# KiCad board cell-sim.kicad_pcb (continued)
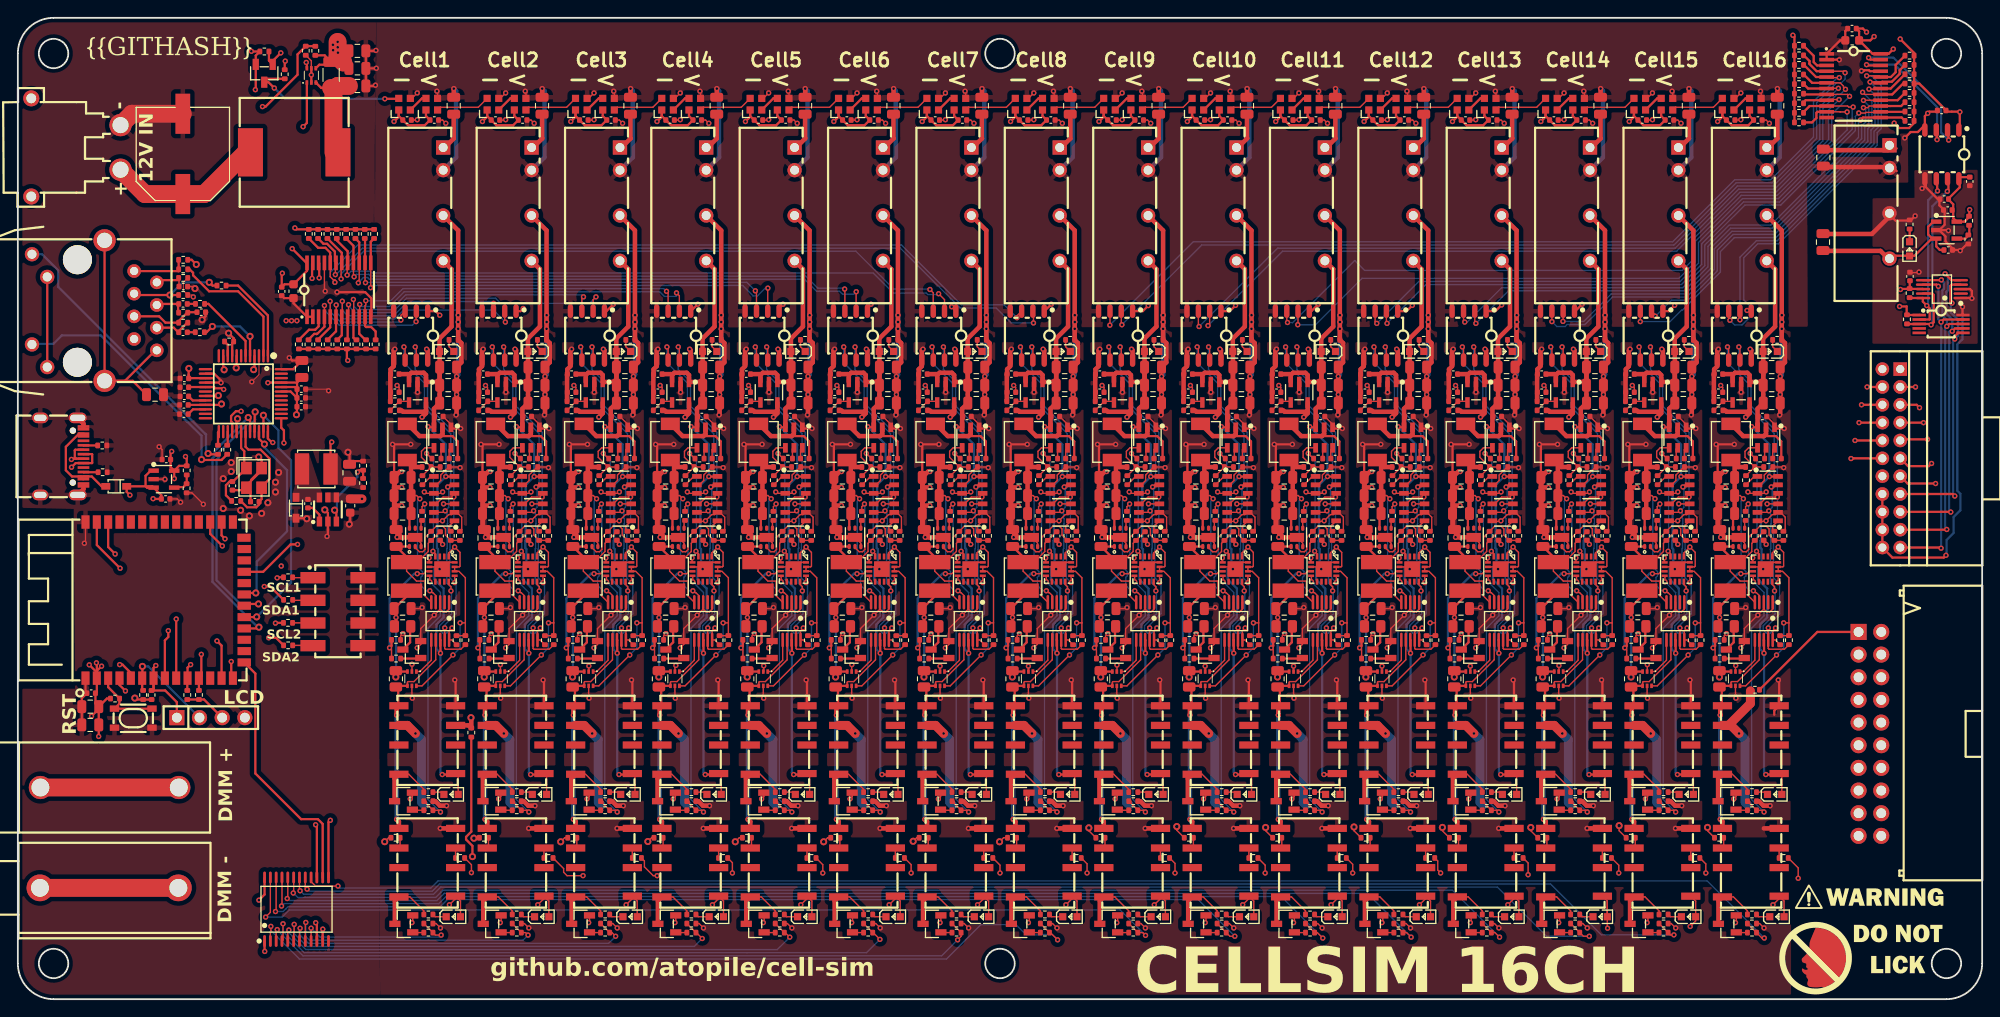
[diagram p0: board, top side]
## Routing (per net, layer and track width the routed paths; a pad name or vN(x,y) marks a point on that pad's centre or on a via; arc(x,y) is an arc through that point) (continued)
CELL9_CURRENT_SENSE_OUTPUT: length 4.5
  Top w0.15: U135.6 125.25,37.99 123.98,36.72 U140.1
CELL9_CURRENT_SENSE_POWER_OUT_VCC: length 24.3
  Top w0.15: U140.4 122.58,35.52 122.66,35.6 123.31,35.6 125.75,38.04 U135.7
  Top w0.25: 121.31,35 121.55,34.75 121.55,32.89 ; R278.2 121.42,35.12 U140.4
  Top w0.5: v2(121.37,20.16) 121.63,19.91 U142.5 ; U141.5 121.37,32.64 v2(121.37,31.84)
  Bottom w0.5: v2(121.37,20.16) v2(121.37,31.84)
CELL9_DMM_RELAY_CONTROL: length 107.2
  Top w0.15: v2(126.3,7.15) 125.99,7.46 R283.1 124.42,8.48 R284.1 ; U16.23 28.28,9.73 v2(27.75,9.2)
  Bottom w0.15: v2(126.3,7.15) 123.44,10.01 30.41,10.01 29.6,9.2 v2(27.75,9.2)
CELL9_FILTER_POWER_OUT_VCC: length 134.3
  Top w0.15: Q28.2 133.04,22.69 v2(132.8,22.45) ; U152.6 135.45,53.61 135.39,53.55 136.34,53.55 v2(136.41,53.62) 136.41,53.62 137.1,54.32 137.42,54.32 137.68,54.57 U152.2 138.02,54.57 138.56,54.03 138.56,52.65 R301.2 ; C186.2 v2(137.99,69.81) ; v2(132.98,37.33) U154.2 ; 131.18,58.48 C192.2 131.22,58.25 C195.2 131.22,51.88 v2(131.33,51.78) ; U154.5 132.98,33.78 v2(133.03,33.74) ; R311.2 131.72,40.72 v2(131.98,40.98) ; U151.1 137.36,64.44 C189.2 ; C188.2 137.99,67.78 v2(137.99,67.78) ; U157.6 136.11,48.46 U157.17 137.11,48.96 U157.16 137.25,48.96 136.5,48.21 v2(136.08,48.21) ; U149.1 137.15,43.73 136.82,43.4 136.48,43.4 136.15,43.73 U149.3 136.15,43.72 v2(135.48,43.05) 133.97,41.54 Q30.2 133.97,39.77 v2(133.58,39.38) ; U150.2 135.72,57.65 136.21,58.14 136.21,58.75 137.11,59.65 R297.2 138.31,59.65 v2(138.38,59.58) ; C196.2 134,43.78 v2(134.12,43.9) ; 131.22,55.33 130.99,55.1 C191.2 ; v2(136.42,50.98) 136.15,51.25 136.15,51.44 ; U153.7 134.01,51.11 U153.3 ; C190.2 130.99,56.52 ; 137.99,65.55 v2(137.93,65.49)
  Top w0.25: U155.4 137.88,35.69 v2(137.78,35.78) ; C192.2 130.99,62.02 v2(130.82,62.19) v2(132.85,62.19) ; U151.1 137.49,63.97 v2(138.44,63.97) ; 121.31,42.02 v2(121.31,42.78) 121.31,43.58 121.11,43.78 122.51,45.18 122.51,45.79 ; v1(121.28,36.11) 121.29,36.11 R278.1 121.39,36.72 U140.3
  Top w0.5: 138.16,76.67 v2(138.17,76.67) ; 138.16,76.67 138.16,86.17 U148.4 ; 138.16,76.67 138.16,75.91 ; 131.22,55.33 v2(131.83,55.33) ; U161.2 v2(133.61,68.03) ; 131.83,51.76 130.99,52.61 C192.2 ; 131.83,51.76 131.34,51.76 v2(131.33,51.78) ; 131.83,51.76 U153.7 ; v2(136.86,21.68) 136.12,21.68 135.61,22.19 R306.2 ; 130.99,56.52 130.99,57.36 v2(131.83,57.36) ; v2(131.07,72.86) 130.94,72.73 U158.5 130.94,70.95 130.59,70.6 C199.2 130.56,70.03 R316.2 ; 138.16,75.91 v2(138.17,75.91) ; 138.16,75.91 R294.2 138.53,73.54 138.53,71.38 C186.2 ; 137.99,65.55 C187.2 v2(137.99,67.78) v2(137.99,69.81) ; 131.18,58.48 131.18,58.67 131.64,59.14 v2(131.83,59.14) ; U156.4 v2(136.16,19.14)
  In1.Cu w0.15: 133.03,37.28 v2(132.98,37.33)
  In1.Cu w1: v2(133.03,33.74) 133.03,37.28
  In2.Cu w0.25: v2(133.03,33.74) 129.04,33.74 126.67,36.11 v1(121.28,36.11)
  Bottom w0.25: v1(121.28,36.11) 121.31,36.13 v2(121.31,42.78)
  Bottom w0.5: v2(138.17,76.67) 138.17,69.99 v2(137.99,69.81)
  vias: v2(138.16,75.14)
CELL9_I2C_SCL: length 44.2
  Top w0.15: R289.1 127.54,40.27 U135.10 127.25,41.29 v2(127.57,41.61) ; v2(127.46,45.76) 127.46,46.24 127.21,46.49 U143.12 ; v2(122.19,73.11) 122.32,72.98 U144.6 ; v2(126.81,54.74) 126.64,54.57 U138.5 ; U136.5 127.33,57.65 v2(127.09,57.41)
  Bottom w0.15: v2(127.57,41.61) 127,41.04 126.52,41.04 126.19,41.38 126.19,41.85 127.52,43.19 127.52,45.7 v2(127.46,45.76) 127.46,46.17 126.99,46.64 126.99,50.48 127.05,50.53 127.05,53.27 127.08,53.31 127.08,53.86 127.02,53.93 127.02,54.54 v2(126.81,54.74) 127.2,55.13 127.2,57.14 127.43,57.36 127.43,63.39 124.48,66.35 124.48,69.05 122.19,71.33 v2(122.19,73.11)
CELL9_I2C_SDA: length 44
  Top w0.15: v2(127.78,56.28) 126.58,56.28 125.82,55.52 U138.4 ; R288.1 128.56,39.23 126.84,39.23 126.75,39.31 U135.9 126.75,41.61 v2(126.76,41.62) ; v2(123.46,73.11) 123.58,72.99 U144.7 ; v2(127.87,46.7) U143.13
  Bottom w0.15: v2(126.76,41.62) 126.76,41.93 128.03,43.2 128.03,46.53 v2(127.87,46.7) 127.34,47.23 127.34,50.4 127.35,50.41 127.35,53.15 127.78,53.58 v2(127.78,56.28) 127.78,63.54 124.83,66.49 124.83,69.21 123.46,70.57 v2(123.46,73.11)
CELL9_LDO_ENABLE: length 7.7
  Top w0.15: v2(125.01,49.46) 125.01,49 U143.5 ; v2(124.51,55.51) 124.22,55.21 R277.1
  Bottom w0.15: v2(124.51,55.51) 124.54,55.48 124.54,49.93 v2(125.01,49.46)
CELL9_LDO_POWER_OUT_VCC: length 15.6
  Top w0.15: U135.5 124.51,45.23 124.51,46.87 123.6,46.87 122.49,47.97 L20.1 123.72,48.99 124.91,50.18 124.91,51.1 R275.1 126.21,52.4 126.25,52.4
  Top w0.25: 122.51,48.99 122.51,49.56 C179.1 121.33,50.73 U139.1
CELL9_OUTPUT_RELAY_CONTROL: length 30.4
  Top w0.15: v2(125.08,46.78) 125.08,47.43 U143.8 ; v2(126.28,20.98) 126.09,21.18 R280.1 ; 124.67,22.19 124.67,21.94 125.44,21.18
  Bottom w0.15: v2(125.08,46.78) 126.28,45.58 126.28,42.98 124.88,41.58 124.88,22.38 v2(126.28,20.98)
cell10-led_data: length 6.1
  Top w0.15: U159.2 136.16,99.97 140.41,99.97 U174.4
cell10-vcc: length 130.9
  Top w0.25: v2(212.54,68.62) U247.3
  Top w1: v2(133.38,29.78) 132.47,30.69 U155.6
  In1.Cu w0.25: 205.25,32.3 205.27,32.32 207.48,32.32 U246.8
  In1.Cu w0.5: 205.35,32.32 204.81,31.78 204.81,31.06 204.07,30.33 204.07,30.3 198.2,24.43 140.27,24.43 134.92,29.78 v2(133.38,29.78)
  In2.Cu w0.25: U246.8 210.38,35.22 210.38,47.69 212.36,49.67 212.36,68.45 v2(212.54,68.62)
  Bottom w1: v2(133.38,29.78) 134.06,29.11 134.06,22.08 134.38,21.75
cell10.buck.ctrl_resistor-vfb: length 6.2
  Top w0.15: R296.2 135.13,59.65 R295.2 ; R296.2 134.05,60.73 134.05,61.41 134.44,61.8 U151.4 ; R296.2 R297.1
cell10.buck.dac-vout: length 1.7
  Top w0.15: U150.1 135.1,58.6 R295.1
cell10.buck.regulator-en: length 1.3
  Top w0.15: U151.5 136.25,61.64 R298.2
cell10.buck.regulator-sw: length 9.5
  Top w0.25: C193.2 138.11,62.52 137.51,63.12 136.17,63.12
  Top w0.5: U151.2 136.41,63.35 136.17,63.12 133.84,63.12 L21.1
cell10.buck.regulator-vbst: length 1.3
  Top w0.15: U151.6 137.15,61.6 C193.1
cell10.dmm_relay-gnd: length 1.1
  Top w0.15: U156.3 137.87,16.94 R318.1
cell10.dmm_relay-vcc: length 1.2
  Top w0.15: R317.1 131.66,17.08 U156.6
cell10.dmm_relay.fet-gate: length 1.3
  Top w0.15: R308.2 133.11,7.46 Q29.1
cell10.dmm_relay.indicator_led.resistor-cathode: length 1.6
  Top w0.15: LED31.1 135.59,9.24 R307.1
cell10.dmm_relay.relay-gnd: length 7.1
  Top w0.15: R307.2 134.32,9.9 132.75,11.46 U156.8
  Top w0.5: U156.8 131.08,11.01 Q29.3
cell10.gpio-p4: length 13.5
  Top w0.15: v2(130.48,39.38) 130.7,39.16 R310.1 ; U157.7 134.56,47.96 134.29,47.69 v2(133.58,47.69)
  Top w0.25: R311.1 130.7,39.6 v2(130.48,39.38)
  Bottom w0.25: v2(133.58,47.69) 133.25,47.69 130.48,44.92 v2(130.48,39.38)
cell10.internal_ldo.feedback_div-out: length 2.6
  Top w0.15: U161.4 132.53,67.02 R316.1 131.58,67.02 R315.2
cell10.isolated_converter.led.resistor-cathode: length 1.5
  Top w0.15: LED29.1 137.14,73.13 R294.1
cell10.ldo.ctrl_resistor-fb: length 8.5
  Top w0.15: R299.2 136.74,52.02 136.74,52.71 136.41,53.05 135.74,53.05 R300.2 134.46,51.77 134.46,50.42 134.2,50.15 133.81,50.15 133.36,50.61 U153.2 133.36,50.56 ; 138.14,51.43 137.13,51.43
cell10.ldo.dac-vout: length 1.4
  Top w0.15: U152.1 137.13,53 137.13,52.44
cell10.ldo.regulator-en: length 0.9
  Top w0.15: U153.4 134.01,53.56 R302.2
cell10.load_switch.fet-gate: length 2.3
  Top w0.25: Q30.1 133.91,38.18 R310.2
cell10.load_switch.fet-n: length 3
  Top w0.25: Q30.3 132.78,40 132.78,41.72 R312.2
cell10.output_relay.fet-gate: length 1.6
  Top w0.15: Q28.1 133.1,21.18 134.57,21.18
cell10.output_relay.indicator_led.resistor-cathode: length 1.3
  Top w0.15: R304.1 136.31,23.21 LED30.1
cell10.output_relay.relay-gnd: length 7
  Top w0.15: U155.8 132.64,25.21 134.32,23.53 R304.2
  Top w0.5: Q28.3 131.04,24.72 U155.8
cell10.voltage_led.ic-vcc: length 2.3
  Top w0.25: U160.2 134.11,100.97 U159.4
CELL10_3V3_VCC: length 34.1
  Top w0.15: v2(134.37,56.86) 134.53,56.7 U150.3 136.27,56.7 v2(136.42,56.86) ; U154.6 134.12,35.12 v2(137.58,38.58) ; U152.3 136.53,55.52 v2(136.53,55.52) ; v2(138.38,42.18) 138.97,42.18 ; 138.97,42.18 R313.2 138.96,40.74 R314.2 ; 138.97,42.18 138.97,47.24 138.25,47.96 U157.14 U157.15 138.29,48.46 138.37,48.54 138.37,50.08 v2(137.77,50.69) 137.11,50.03 U157.1 ; v2(131.33,68.79) 131.55,68.57 C200.1
  Top w0.5: 131.83,66 131.99,65.84 134.4,65.84 134.56,66 ; 134.56,66 U161.5 ; 134.56,66 134.56,65.68 v2(134.12,65.24) ; U158.8 134.75,72.74 v2(134.63,72.86)
  Bottom w0.15: v2(138.38,42.18) 138.38,39.38 v2(137.58,38.58)
CELL10_5V_VCC: length 77.2
  Top w0.15: 136.09,70.85 C186.1 ; U155.1 138.17,25 LED30.2
  Top w0.25: C189.1 135.46,65.25 U151.3 134.86,64.1 v2(134.78,64.18) ; v2(136.38,25.18) 137.77,25.18 U155.1 ; v2(136.18,38.78) 136.18,40.24 U149.8 ; U150.6 137.73,58.58 v2(136.78,58.58)
  Top w0.5: 136.09,70.06 136.09,68.83 C188.1 135.73,69.18 U161.1 134.56,69.96 134.31,70.21 132.92,70.21 132.66,69.96 ; 136.09,70.06 136.09,72.59 LED29.2 136.08,74.05 137.42,75.4 137.42,81.83 U148.6 ; 136.09,70.06 C187.1 135.46,66.19 U151.3 ; 132.66,69.96 132.55,70.06 131.81,70.06 ; 132.66,69.96 U161.3
  Bottom w0.25: v2(136.38,25.18) 136.18,25.38 v2(136.18,38.78) 135.73,39.23 135.73,42 136.53,42.79 136.53,46.03 135.51,47.05 135.51,48.45 135.91,48.85 135.91,50.44 135.78,50.58 135.78,51.38 135.83,51.43 135.83,57.63 v2(136.78,58.58) 136.78,62.18 v2(134.78,64.18)
CELL10_BUCK_ENABLE: length 12.8
  Top w0.15: R298.1 135.2,60.6 v2(134.63,61.17) ; U157.4 135.61,49.94 v2(135.34,50.21)
  Bottom w0.15: v2(134.63,61.17) 135.39,60.41 135.39,50.26 v2(135.34,50.21)
CELL10_BUCK_POWER_OUT_VCC: length 24.3
  Top w0.15: C190.1 133.5,56.45 v2(133.87,56.09) ; U149.4 135.65,45.24 135.32,45.57 135.24,45.57 135.04,45.78 v2(134.99,45.78)
  Top w0.25: U153.6 132.71,54.25 C191.1 ; 133.03,58.63 C192.1
  Top w0.5: C191.1 132.89,60.01 L21.2 133.25,59.65 R296.1
  Bottom w0.15: v2(134.99,45.78) 134.58,45.78 133.98,46.38 133.98,47.28 134.16,47.45 134.16,47.93 133.82,48.27 133.7,48.27 133.61,48.35 133.61,55.84 v2(133.87,56.09)
CELL10_CURRENT_SENSE_OUTPUT: length 4.5
  Top w0.15: U149.6 135.15,37.99 133.88,36.72 U154.1
CELL10_CURRENT_SENSE_POWER_OUT_VCC: length 24.3
  Top w0.15: U149.7 135.65,38.04 133.21,35.6 132.56,35.6 132.48,35.52 U154.4
  Top w0.25: U154.4 131.31,35.12 R303.2 ; 131.2,35 131.45,34.75 131.45,32.89
  Top w0.5: U155.5 131.27,32.64 v2(131.27,31.84) ; U156.5 131.53,19.91 v2(131.27,20.16)
  Bottom w0.5: v2(131.27,20.16) v2(131.27,31.84)
CELL10_DMM_RELAY_CONTROL: length 116.1
  Top w0.15: U16.22 28.93,9.9 v2(28.86,9.82) ; v2(136.3,7.05) 135.75,7.05 R308.1 134.32,8.48 R309.1
  Bottom w0.15: v2(28.86,9.82) 29.73,9.82 30.26,10.36 47.29,10.36 48.09,11.16 132.19,11.16 136.3,7.05 v2(136.3,7.05)
CELL10_FILTER_POWER_OUT_VCC: length 134.3
  Top w0.15: C202.2 v2(147.89,69.81) ; v2(141.22,51.78) 141.12,51.88 C211.2 141.12,58.25 C208.2 141.08,58.48 ; v2(148.28,59.58) 148.21,59.65 R322.2 147.01,59.65 146.11,58.75 146.11,58.14 145.62,57.65 U164.2 ; v2(145.98,48.21) 146.4,48.21 147.15,48.96 U171.16 147.01,48.96 U171.17 146.01,48.46 U171.6 ; C206.2 140.89,56.52 ; v2(146.32,50.98) 146.05,51.25 146.05,51.44 ; v2(142.93,33.74) 142.88,33.78 U168.5 ; U167.3 143.91,51.11 U167.7 ; R326.2 148.46,52.65 148.46,54.03 147.92,54.57 U166.2 147.57,54.57 147.32,54.32 147,54.32 146.31,53.62 v2(146.3,53.62) 146.24,53.55 145.29,53.55 145.35,53.61 U166.6 ; 141.12,55.33 140.89,55.1 C207.2 ; v2(144.02,43.9) 143.89,43.78 C212.2 ; C205.2 147.25,64.44 U165.1 ; v2(147.89,67.78) 147.89,67.78 C204.2 ; v2(141.88,40.98) 141.62,40.72 R336.2 ; v2(142.88,37.33) U168.2 ; U163.1 147.05,43.73 146.72,43.4 146.38,43.4 146.05,43.73 U163.3 146.05,43.72 v2(145.38,43.05) 143.87,41.54 Q33.2 143.87,39.77 v2(143.48,39.38) ; Q31.2 142.94,22.69 v2(142.69,22.45) ; 147.89,65.55 v2(147.83,65.49)
  Top w0.25: 131.2,42.02 v2(131.2,42.78) 131.2,43.58 131,43.78 132.4,45.18 132.4,45.79 ; v1(131.18,36.11) 131.19,36.11 R303.1 131.29,36.72 U154.3 ; v2(142.75,62.19) v2(140.72,62.19) 140.89,62.02 C208.2 ; v2(147.68,35.78) 147.77,35.69 U169.4 ; v2(148.34,63.97) 147.39,63.97 U165.1
  Top w0.5: C208.2 140.89,52.61 141.73,51.76 ; 148.06,76.67 148.06,86.17 U162.4 ; 148.06,76.67 148.06,75.91 ; 148.06,76.67 v2(148.07,76.67) ; 148.06,75.91 v2(148.07,75.91) ; 148.06,75.91 R319.2 148.42,73.54 148.42,71.38 C202.2 ; U170.4 v2(146.06,19.14) ; R331.2 145.51,22.19 146.01,21.68 v2(146.76,21.68) ; 141.12,55.33 v2(141.73,55.33) ; 147.89,65.55 C203.2 v2(147.89,67.78) v2(147.89,69.81) ; v2(141.73,59.14) 141.54,59.14 141.08,58.67 141.08,58.48 ; U175.2 v2(143.51,68.03) ; v2(141.22,51.78) 141.24,51.76 141.73,51.76 ; v2(141.73,57.36) 140.89,57.36 140.89,56.52 ; U167.7 141.73,51.76 ; v2(140.97,72.86) 140.84,72.73 U172.5 140.84,70.95 140.49,70.6 C215.2 140.46,70.03 R341.2
  In1.Cu w0.15: 142.93,37.28 v2(142.88,37.33)
  In1.Cu w1: v2(142.93,33.74) 142.93,37.28
  In2.Cu w0.25: v2(142.93,33.74) 135,33.74 132.63,36.11 v1(131.18,36.11)
  Bottom w0.25: v1(131.18,36.11) 131.2,36.13 v2(131.2,42.78)
  Bottom w0.5: v2(147.89,69.81) 148.07,69.99 v2(148.07,76.67)
  vias: v2(148.06,75.14)
CELL10_I2C_SCL: length 44.2
  Top w0.15: v2(132.09,73.11) 132.22,72.98 U158.6 ; U150.5 137.23,57.65 v2(136.99,57.41) ; U157.12 137.11,46.49 137.36,46.24 v2(137.36,45.76) ; U152.5 136.54,54.57 v2(136.71,54.74) ; v2(137.47,41.61) 137.15,41.29 U149.10 137.44,40.27 R314.1
  Bottom w0.15: v2(132.09,73.11) 132.09,71.33 134.37,69.05 134.37,66.35 137.33,63.39 137.33,57.36 137.1,57.14 137.1,55.13 v2(136.71,54.74) 136.91,54.54 136.91,53.93 136.98,53.86 136.98,53.31 136.94,53.27 136.94,50.53 136.89,50.48 136.89,46.64 137.35,46.17 137.35,45.76 v2(137.36,45.76) 137.42,45.7 137.42,43.19 136.08,41.85 136.08,41.38 136.42,41.04 136.9,41.04 v2(137.47,41.61)
CELL10_I2C_SDA: length 44
  Top w0.15: v2(133.36,73.11) 133.48,72.99 U158.7 ; v2(137.68,56.28) 136.48,56.28 135.72,55.52 U152.4 ; R313.1 138.46,39.23 136.73,39.23 136.65,39.31 U149.9 136.65,41.61 v2(136.66,41.62) ; v2(137.77,46.7) U157.13
  Bottom w0.15: v2(133.36,73.11) 133.36,70.57 134.72,69.21 134.72,66.49 137.68,63.54 v2(137.68,56.28) 137.68,53.58 137.24,53.15 137.24,50.41 137.24,50.4 137.24,47.23 v2(137.77,46.7) 137.93,46.53 137.93,43.2 136.66,41.93 v2(136.66,41.62)
CELL10_LDO_ENABLE: length 7.7
  Top w0.15: v2(134.41,55.51) 134.11,55.21 R302.1 ; U157.5 134.91,49 v2(134.91,49.46)
  Bottom w0.15: v2(134.91,49.46) 134.44,49.93 134.44,55.48 v2(134.41,55.51)
CELL10_LDO_POWER_OUT_VCC: length 15.6
  Top w0.15: 136.15,52.4 136.11,52.4 R300.1 134.81,51.1 134.81,50.18 133.62,48.99 L22.1 132.39,47.97 133.5,46.87 134.41,46.87 134.41,45.23 U149.5
  Top w0.25: 132.4,48.99 132.4,49.56 C195.1 131.23,50.73 U153.1
CELL10_OUTPUT_RELAY_CONTROL: length 30.4
  Top w0.15: 135.34,21.18 134.57,21.94 134.57,22.19 ; v2(136.18,20.98) 135.99,21.18 R305.1 ; U157.8 134.98,47.43 v2(134.98,46.78)
  Bottom w0.15: v2(134.98,46.78) 136.18,45.58 136.18,42.98 134.78,41.58 134.78,22.38 v2(136.18,20.98)
cell11-led_data: length 6.1
  Top w0.15: U173.2 146.06,99.97 150.31,99.97 U188.4
cell11-vcc: length 117.3
  Top w1: v2(143.28,29.78) 142.37,30.69 U169.6
  In1.Cu w0.5: 143.28,29.77 146.85,26.2 194.45,26.2 201.79,33.54 U246.7
  In1.Cu w1: v2(143.28,29.78) 143.28,29.77
  In2.Cu w0.25: U246.7 204.94,34.77 204.94,42.63 207.74,45.44 207.74,69.54 U247.2
  Bottom w1: v2(143.28,29.78) 143.95,29.11 143.95,22.08 144.28,21.75
cell11.buck.ctrl_resistor-vfb: length 6.2
  Top w0.15: R320.2 145.03,59.65 R321.2 ; U165.4 144.34,61.8 143.95,61.41 143.95,60.73 R321.2 ; R321.2 R322.1
cell11.buck.dac-vout: length 1.7
  Top w0.15: U164.1 145,58.6 R320.1
cell11.buck.regulator-en: length 1.3
  Top w0.15: R323.2 146.15,61.64 U165.5
cell11.buck.regulator-sw: length 9.5
  Top w0.25: C209.2 148.01,62.52 147.41,63.12 146.07,63.12
  Top w0.5: L23.1 143.74,63.12 146.07,63.12 146.3,63.35 U165.2
cell11.buck.regulator-vbst: length 1.3
  Top w0.15: U165.6 147.05,61.6 C209.1
cell11.dmm_relay-gnd: length 1.1
  Top w0.15: R343.1 147.77,16.94 U170.3
cell11.dmm_relay-vcc: length 1.2
  Top w0.15: R342.1 141.56,17.08 U170.6
cell11.dmm_relay.fet-gate: length 1.3
  Top w0.15: R333.2 143.01,7.46 Q32.1
cell11.dmm_relay.indicator_led.resistor-cathode: length 1.6
  Top w0.15: R332.1 145.49,9.24 LED34.1
cell11.dmm_relay.relay-gnd: length 7.1
  Top w0.15: U170.8 142.65,11.46 144.22,9.9 R332.2
  Top w0.5: Q32.3 140.97,11.01 U170.8
cell11.gpio-p4: length 13.5
  Top w0.15: U171.7 144.46,47.96 144.19,47.69 v2(143.48,47.69) ; v2(140.38,39.38) 140.6,39.16 R335.1
  Top w0.25: R336.1 140.6,39.6 v2(140.38,39.38)
  Bottom w0.25: v2(140.38,39.38) 140.38,44.92 143.14,47.69 v2(143.48,47.69)
cell11.internal_ldo.feedback_div-out: length 2.6
  Top w0.15: U175.4 142.43,67.02 R341.1 141.48,67.02 R340.2
cell11.isolated_converter.led.resistor-cathode: length 1.5
  Top w0.15: LED32.1 147.04,73.13 R319.1
cell11.ldo.ctrl_resistor-fb: length 8.5
  Top w0.15: R324.2 146.64,52.02 146.64,52.71 146.3,53.05 145.64,53.05 R325.2 144.36,51.77 144.36,50.42 144.09,50.15 143.71,50.15 143.26,50.61 U167.2 143.26,50.56 ; 148.04,51.43 147.03,51.43
cell11.ldo.dac-vout: length 1.4
  Top w0.15: U166.1 147.03,53 147.03,52.44
cell11.ldo.regulator-en: length 0.9
  Top w0.15: U167.4 143.91,53.56 R327.2
cell11.load_switch.fet-gate: length 2.3
  Top w0.25: R335.2 143.81,38.18 Q33.1
cell11.load_switch.fet-n: length 3
  Top w0.25: R337.2 142.68,41.72 142.68,40 Q33.3
cell11.output_relay.fet-gate: length 1.6
  Top w0.15: 144.47,21.18 143,21.18 Q31.1
cell11.output_relay.indicator_led.resistor-cathode: length 1.3
  Top w0.15: LED33.1 146.21,23.21 R329.1
cell11.output_relay.relay-gnd: length 7
  Top w0.15: R329.2 144.22,23.53 142.53,25.21 U169.8
  Top w0.5: Q31.3 140.94,24.72 U169.8
cell11.voltage_led.ic-vcc: length 2.3
  Top w0.25: U174.2 144.01,100.97 U173.4
CELL11_3V3_VCC: length 34.1
  Top w0.15: v2(146.32,56.86) 146.16,56.7 U164.3 144.43,56.7 v2(144.27,56.86) ; U168.6 144.02,35.12 v2(147.48,38.58) ; 148.87,42.18 R338.2 148.86,40.74 R339.2 ; 148.87,42.18 v2(148.28,42.18) ; 148.87,42.18 148.87,47.24 148.15,47.96 U171.14 U171.15 148.19,48.46 148.27,48.54 148.27,50.08 v2(147.67,50.69) 147.01,50.03 U171.1 ; C216.1 141.45,68.57 v2(141.22,68.79) ; U166.3 146.43,55.52 v2(146.42,55.52)
  Top w0.5: v2(144.53,72.86) 144.65,72.74 U172.8 ; U175.5 144.46,66 ; 144.46,66 144.46,65.68 v2(144.02,65.24) ; 144.46,66 144.3,65.84 141.89,65.84 141.73,66
  Bottom w0.15: v2(147.48,38.58) 148.28,39.38 v2(148.28,42.18)
CELL11_5V_VCC: length 77.2
  Top w0.15: U169.1 148.07,25 LED33.2 ; 145.99,70.85 C202.1
  Top w0.25: U163.8 146.08,40.24 v2(146.08,38.78) ; U164.6 147.63,58.58 v2(146.68,58.58) ; v2(144.68,64.18) 144.76,64.1 U165.3 145.35,65.25 C205.1 ; U169.1 147.66,25.18 v2(146.28,25.18)
  Top w0.5: U162.6 147.32,81.83 147.32,75.4 145.97,74.05 LED32.2 145.99,72.59 145.99,70.06 ; U175.3 142.56,69.96 ; 142.56,69.96 142.82,70.21 144.21,70.21 144.46,69.96 U175.1 145.63,69.18 C204.1 145.99,68.83 145.99,70.06 ; 142.56,69.96 142.45,70.06 141.7,70.06 ; 145.99,70.06 C203.1 145.35,66.19 U165.3
  Bottom w0.25: v2(146.28,25.18) 146.08,25.38 v2(146.08,38.78) 145.63,39.23 145.63,42 146.43,42.79 146.43,46.03 145.41,47.05 145.41,48.45 145.81,48.85 145.81,50.44 145.68,50.58 145.68,51.38 145.73,51.43 145.73,57.63 v2(146.68,58.58) 146.68,62.18 v2(144.68,64.18)
CELL11_BUCK_ENABLE: length 12.8
  Top w0.15: R323.1 145.1,60.6 v2(144.53,61.17) ; v2(145.24,50.21) 145.51,49.94 U171.4
  Bottom w0.15: v2(144.53,61.17) 145.29,60.41 145.29,50.26 v2(145.24,50.21)
CELL11_BUCK_POWER_OUT_VCC: length 24.3
  Top w0.15: C206.1 143.4,56.45 v2(143.76,56.09) ; U163.4 145.55,45.24 145.22,45.57 145.14,45.57 144.94,45.78 v2(144.89,45.78)
  Top w0.25: 142.93,58.63 C208.1 ; C207.1 142.61,54.25 U167.6
  Top w0.5: R321.1 143.15,59.65 L23.2 142.79,60.01 C207.1
  Bottom w0.15: v2(144.89,45.78) 144.48,45.78 143.88,46.38 143.88,47.28 144.05,47.45 144.05,47.93 143.72,48.27 143.59,48.27 143.51,48.35 143.51,55.84 v2(143.76,56.09)
CELL11_CURRENT_SENSE_OUTPUT: length 4.5
  Top w0.15: U168.1 143.78,36.72 145.05,37.99 U163.6
CELL11_CURRENT_SENSE_POWER_OUT_VCC: length 24.3
  Top w0.15: U163.7 145.55,38.04 143.1,35.6 142.45,35.6 142.38,35.52 U168.4
  Top w0.25: 141.35,32.89 141.35,34.75 141.1,35 ; U168.4 141.21,35.12 R328.2
  Top w0.5: v2(141.17,31.84) 141.17,32.64 U169.5 ; v2(141.17,20.16) 141.42,19.91 U170.5
  Bottom w0.5: v2(141.17,20.16) v2(141.17,31.84)
CELL11_DMM_RELAY_CONTROL: length 124.8
  Top w0.15: R334.1 144.22,8.48 R333.1 145.54,7.46 v2(146.15,6.85) ; U16.21 29.58,10.49 v2(29.53,10.44)
  Bottom w0.15: v2(146.15,6.85) 141.49,11.51 47.95,11.51 47.15,10.71 29.8,10.71 v2(29.53,10.44)
CELL11_FILTER_POWER_OUT_VCC: length 134.3
  Top w0.15: 151.01,55.33 150.78,55.1 C223.2 ; U177.1 156.95,43.73 156.62,43.4 156.28,43.4 155.95,43.73 U177.3 155.95,43.72 v2(155.28,43.05) 153.77,41.54 Q36.2 153.77,39.77 v2(153.38,39.38) ; v2(156.22,50.98) 155.95,51.25 155.95,51.44 ; C221.2 157.15,64.44 U179.1 ; v2(157.79,67.78) 157.78,67.78 C220.2 ; 150.97,58.48 C224.2 151.01,58.25 C227.2 151.01,51.88 v2(151.12,51.78) ; v2(153.92,43.9) 153.79,43.78 C228.2 ; U178.2 155.51,57.65 156,58.14 156,58.75 156.91,59.65 R347.2 158.11,59.65 v2(158.18,59.58) ; v2(152.59,22.45) 152.83,22.69 Q34.2 ; v2(152.78,37.33) U182.2 ; R361.2 151.51,40.72 v2(151.78,40.98) ; U181.3 153.8,51.11 U181.7 ; U182.5 152.78,33.78 v2(152.82,33.74) ; U180.6 155.24,53.61 155.19,53.55 156.14,53.55 v2(156.2,53.62) 156.2,53.62 156.9,54.32 157.22,54.32 157.47,54.57 U180.2 157.81,54.57 158.35,54.03 158.35,52.65 R351.2 ; C222.2 150.78,56.52 ; v2(155.88,48.21) 156.3,48.21 157.05,48.96 U185.16 156.91,48.96 U185.17 155.91,48.46 U185.6 ; 157.79,65.55 v2(157.73,65.49) ; C218.2 v2(157.79,69.81)
  Top w0.25: U183.4 157.67,35.69 v2(157.58,35.78) ; 142.3,45.79 142.3,45.18 140.9,43.78 141.1,43.58 v2(141.1,42.78) 141.1,42.02 ; v1(141.08,36.11) 141.09,36.11 R328.1 141.18,36.72 U168.3 ; U179.1 157.29,63.97 v2(158.23,63.97) ; C224.2 150.78,62.02 v2(150.61,62.19) v2(152.65,62.19)
  Top w0.5: U184.4 v2(155.96,19.14) ; v2(151.63,59.14) 151.44,59.14 150.97,58.67 150.97,58.48 ; U189.2 v2(153.41,68.03) ; R366.2 150.36,70.03 C231.2 150.39,70.6 150.74,70.95 U186.5 150.74,72.73 v2(150.87,72.86) ; 157.96,76.67 157.96,75.91 ; 157.96,76.67 v2(157.97,76.67) ; 157.96,76.67 157.96,86.17 U176.4 ; 157.96,75.91 v2(157.97,75.91) ; 157.96,75.91 R344.2 158.32,73.54 158.32,71.38 C218.2 ; 151.63,51.76 150.78,52.61 C224.2 ; 151.63,51.76 U181.7 ; 151.63,51.76 151.14,51.76 v2(151.12,51.78) ; 157.79,65.55 C219.2 v2(157.79,67.78) v2(157.79,69.81) ; 150.78,56.52 150.78,57.36 v2(151.63,57.36) ; R356.2 155.4,22.19 155.91,21.68 v2(156.66,21.68) ; 151.01,55.33 v2(151.63,55.33)
  In1.Cu w0.15: 152.82,37.28 v2(152.78,37.33)
  In1.Cu w1: v2(152.82,33.74) 152.82,37.28
  In2.Cu w0.25: v2(152.82,33.74) 144.05,33.74 141.67,36.11 v1(141.08,36.11)
  Bottom w0.25: v1(141.08,36.11) 141.1,36.13 v2(141.1,42.78)
  Bottom w0.5: v2(157.97,76.67) 157.97,69.99 v2(157.79,69.81)
  vias: v2(157.96,75.14)
CELL11_I2C_SCL: length 44.2
  Top w0.15: U164.5 147.13,57.65 v2(146.89,57.41) ; v2(146.61,54.74) 146.44,54.57 U166.5 ; v2(147.25,45.76) 147.25,46.24 147.01,46.49 U171.12 ; v2(141.99,73.11) 142.12,72.98 U172.6 ; v2(147.36,41.61) 147.05,41.29 U163.10 147.34,40.27 R339.1
  Bottom w0.15: v2(147.36,41.61) 146.8,41.04 146.32,41.04 145.98,41.38 145.98,41.85 147.32,43.19 147.32,45.7 v2(147.25,45.76) 147.25,46.17 146.79,46.64 146.79,50.48 146.84,50.53 146.84,53.27 146.88,53.31 146.88,53.86 146.81,53.93 146.81,54.54 v2(146.61,54.74) 147,55.13 147,57.14 147.22,57.36 147.22,63.39 144.27,66.35 144.27,69.05 141.99,71.33 v2(141.99,73.11)
CELL11_I2C_SDA: length 44
  Top w0.15: v2(147.67,46.7) U171.13 ; v2(147.57,56.28) 146.38,56.28 145.62,55.52 U166.4 ; v2(143.26,73.11) 143.38,72.99 U172.7 ; v2(146.56,41.62) 146.55,41.61 U163.9 146.55,39.31 146.63,39.23 148.36,39.23 R338.1
  Bottom w0.15: v2(146.56,41.62) 146.56,41.93 147.83,43.2 147.83,46.53 v2(147.67,46.7) 147.14,47.23 147.14,50.4 147.14,50.41 147.14,53.15 147.57,53.58 v2(147.57,56.28) 147.57,63.54 144.62,66.49 144.62,69.21 143.26,70.57 v2(143.26,73.11)
CELL11_LDO_ENABLE: length 7.7
  Top w0.15: v2(144.31,55.51) 144.01,55.21 R327.1 ; v2(144.81,49.46) 144.81,49 U171.5
  Bottom w0.15: v2(144.81,49.46) 144.34,49.93 144.34,55.48 v2(144.31,55.51)
CELL11_LDO_POWER_OUT_VCC: length 15.6
  Top w0.15: 146.05,52.4 146.01,52.4 R325.1 144.71,51.1 144.71,50.18 143.52,48.99 L24.1 142.29,47.97 143.39,46.87 144.31,46.87 144.31,45.23 U163.5
  Top w0.25: 142.3,48.99 142.3,49.56 C211.1 141.13,50.73 U167.1
CELL11_OUTPUT_RELAY_CONTROL: length 30.4
  Top w0.15: 145.23,21.18 144.47,21.94 144.47,22.19 ; R330.1 145.88,21.18 v2(146.08,20.98) ; v2(144.88,46.78) 144.88,47.43 U171.8
  Bottom w0.15: v2(144.88,46.78) 146.08,45.58 146.08,42.98 144.68,41.58 144.68,22.38 v2(146.08,20.98)
cell12-led_data: length 6.1
  Top w0.15: U202.4 160.21,99.97 155.95,99.97 U187.2
cell12-vcc: length 107.7
  Top w1: U183.6 152.27,30.69 v2(153.18,29.78)
  In1.Cu w0.25: U246.6 207.38,34.77 205.22,34.77 205.2,34.75
  In1.Cu w0.5: v2(153.18,29.78) 156.06,26.9 194.16,26.9 202.03,34.77 205.4,34.77
  In2.Cu w0.25: U247.1 211.91,69.54 211.91,49.86 209.93,47.87 209.93,37.31 U246.6
  Bottom w1: 154.18,21.75 153.85,22.08 153.85,29.11 v2(153.18,29.78)
cell12.buck.ctrl_resistor-vfb: length 6.2
  Top w0.15: R346.2 153.85,60.73 153.85,61.41 154.24,61.8 U179.4 ; R346.2 154.92,59.65 R345.2 ; R346.2 R347.1
cell12.buck.dac-vout: length 1.7
  Top w0.15: U178.1 154.9,58.6 R345.1
cell12.buck.regulator-en: length 1.3
  Top w0.15: U179.5 156.04,61.64 R348.2
cell12.buck.regulator-sw: length 9.5
  Top w0.25: C225.2 157.91,62.52 157.31,63.12 155.97,63.12
  Top w0.5: L25.1 153.64,63.12 155.97,63.12 156.2,63.35 U179.2
cell12.buck.regulator-vbst: length 1.3
  Top w0.15: C225.1 156.95,61.6 U179.6
cell12.dmm_relay-gnd: length 1.1
  Top w0.15: U184.3 157.67,16.94 R368.1
cell12.dmm_relay-vcc: length 1.2
  Top w0.15: R367.1 151.45,17.08 U184.6
cell12.dmm_relay.fet-gate: length 1.3
  Top w0.15: Q35.1 152.9,7.46 R358.2
cell12.dmm_relay.indicator_led.resistor-cathode: length 1.6
  Top w0.15: LED37.1 155.39,9.24 R357.1
cell12.dmm_relay.relay-gnd: length 7.1